# Altium PCB EDR Project pcb.PcbDoc
Units mil, origin at the board's own origin, x right, y up, seen from the top; angles counter-clockwise.
Board outline 3149.61 x 1968.5 mil, 2 copper layers (Top Layer, Bottom Layer); 58 components, 47 nets, 289 pads, 56 vias.
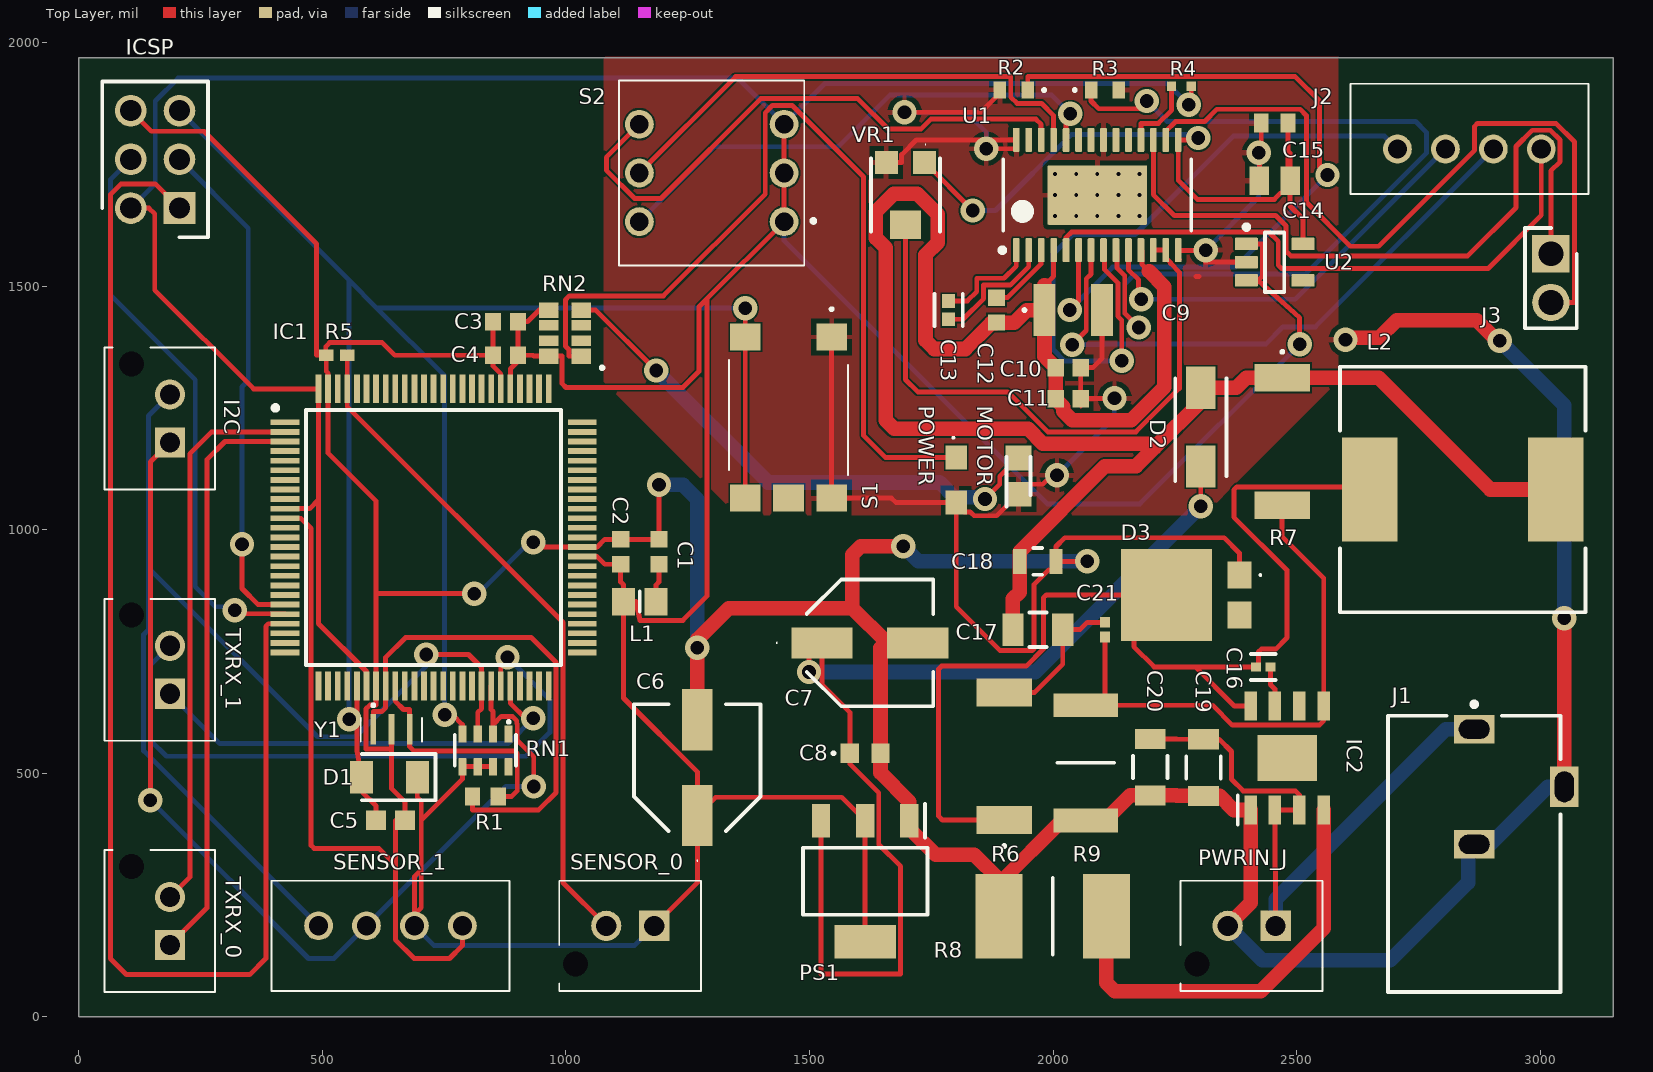
[diagram p0: Top Layer view]
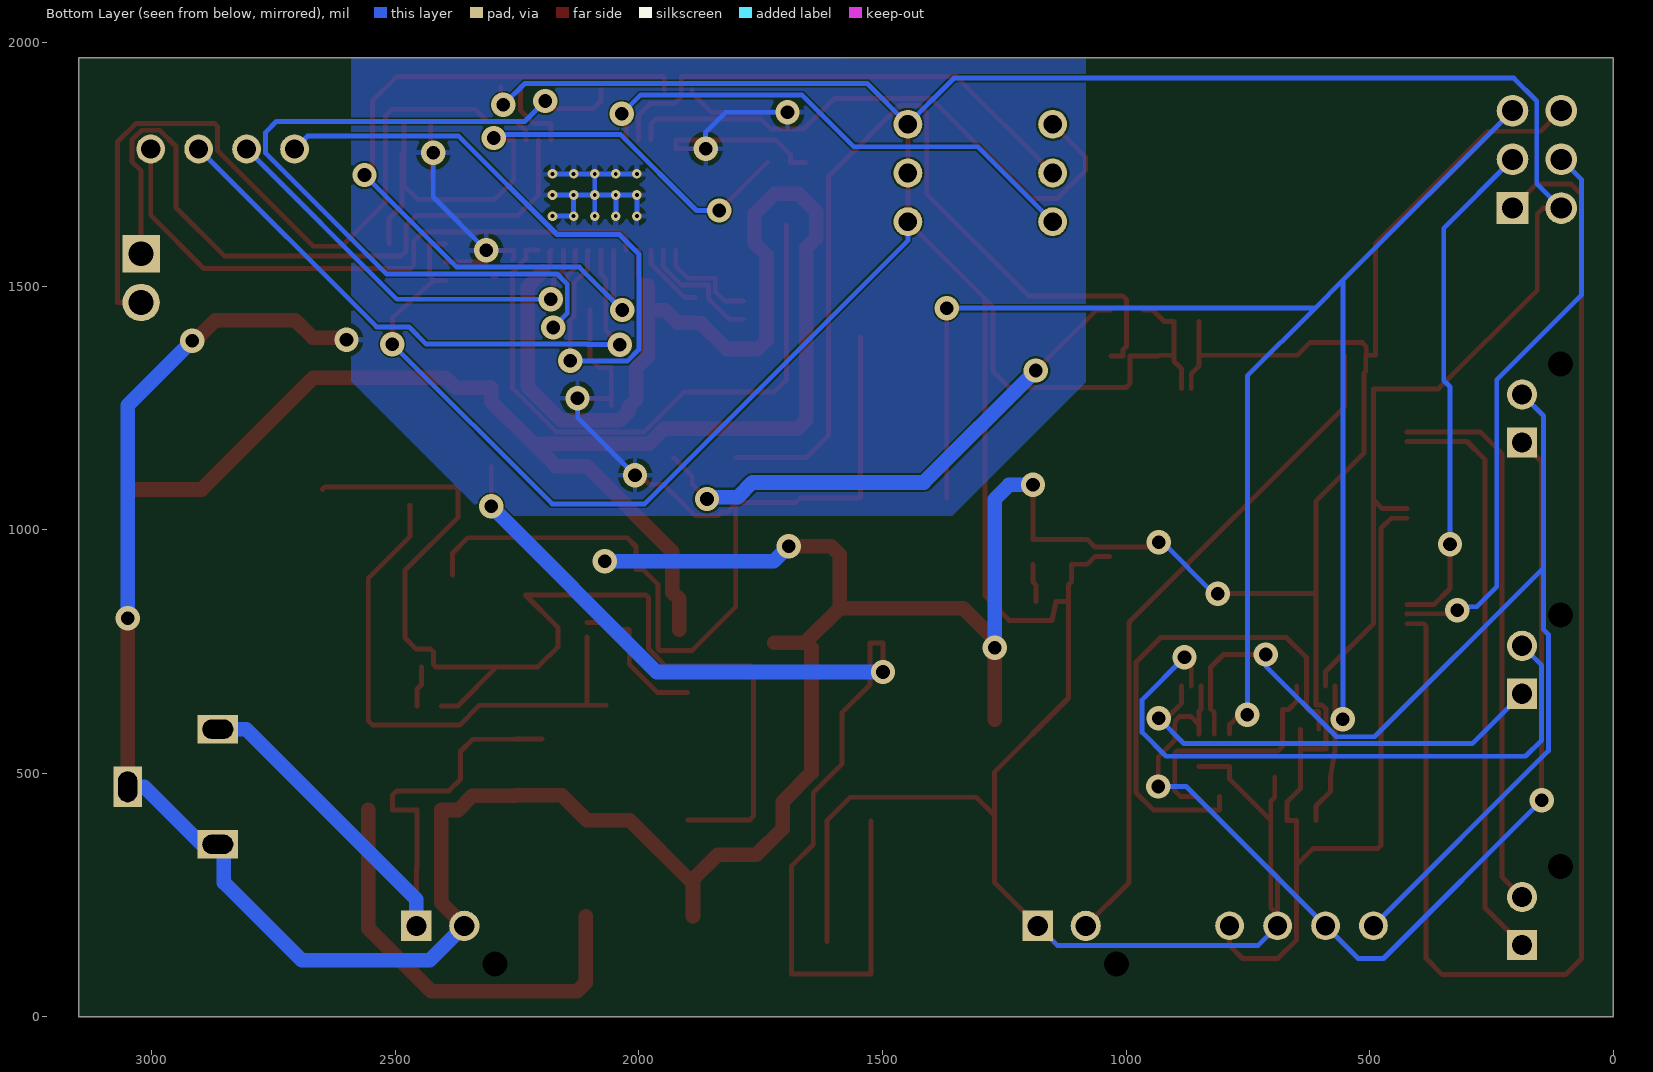
[diagram p1: Bottom Layer view, seen from below]
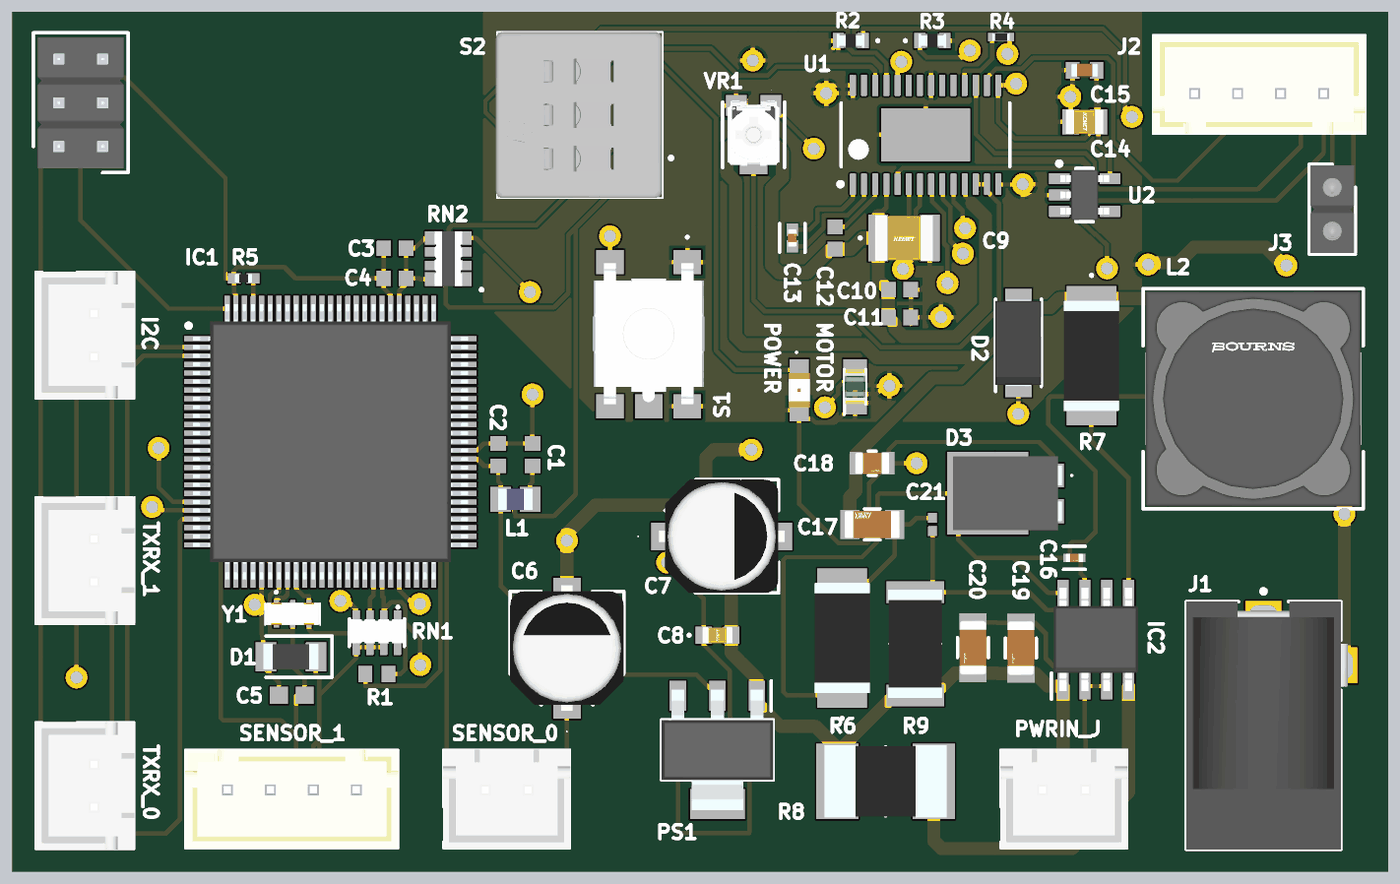
[diagram p2: 3D render of the assembled board from above, using the file's embedded part models]

## Layer stack, top to bottom
Top Solder: solder mask 0.4, Solder Resist, Dk 3.5
Top Layer: signal copper 1.4
Dielectric 1: dielectric 12.6, FR-4, Dk 4.8
Bottom Layer: signal copper 1.4
Bottom Solder: solder mask 0.4, Solder Resist, Dk 3.5

## Board outline
0,0 3149.61,0 3149.61,1968.5 0,1968.5

## Design rules (kind name [scope] priority, off if disabled: settings)
Clearance [All] p1: gap=4 ignorepadtopadclearanceinfootprint=FALSE
MinimumSolderMaskSliver [All] p1: minsoldermaskwidth=0
PolygonConnect [All] p1: connectstyle=Relief reliefconductorwidth=10 reliefentries=4 polygonreliefangle="90 Angle" airgapwidth=10
RoutingVias [All] p1: holewidth=28 width=50 viastyle="Through Hole" minholewidth=28 minwidth=50 maxholewidth=28 maxwidth=50
SilkToSilkClearance [All] p1: silktosilkclearance=0
SilkToSolderMaskClearance [IsText] p1: minsilkscreentomaskgap=5 clearancetoexposedcopper=TRUE
SolderMaskExpansion [All] p1: expansion=4 istentingtop=FALSE
Width [All] p1: maxlimit=50 minlimit=10 preferedwidth=10
27 further rules are at their usual default settings.

## Classes and differential pairs
component class UART: I2C TXRX_0 TXRX_1
component class "PRESSURE SENSOR": SENSOR_1
component class POWER: C6 C7 C8 C16 C17 C18 C19 C20 C21 D2 D3 IC2 J1 L2 PS1 PWRIN_J R6 R7 R8 R9
component class "MOTOR DRIVER": C9 C10 C11 C12 C13 C14 C15 J2 J3 R2 R3 R4 S2 U1 U2 VR1
component class "MEMBRANE SENSOR": R5 SENSOR_0
component class MCU: C1 C2 C3 C4 C5 D1 IC1 ICSP L1 MOTOR POWER R1 RN1 RN2 S1 Y1

## Components (designator, comment, footprint, x,y, rotation, side; value= is the part's Value field where it differs from the comment)
C1 "06035C104KAT4A" CAPC1608X90X35LL15T15 1190.94,954.72 r270 top value=100nF
C2 "06035C104KAT4A" CAPC1608X90X35LL15T15 1112.2,954.72 r270 top value=100nF
C3 "06035C104KAT4A" CAPC1608X90X35LL15T15 875.98,1427.17 r0 top value=100nF
C4 "06035C104KAT4A" CAPC1608X90X35LL15T15 875.98,1358.27 r0 top value=100nF
C5 "06035A220JAT4A" CAPC1608X90X35NL15T15 639.76,403.54 r180 top value=22pF
C6 "EEE-1EA470WP" EEE1AA101SP 1269.69,511.81 r90 top value=47uF
C7 "EEE-1EA470WP" EEE1AA101SP 1624.02,767.72 r0 top value=47uF
C8 "C0603C104K5RAC3190" C0603 1614.17,541.34 r0 top
C9 "C1210C475J5RACAUTO" C1210 2041.34,1450.79 r0 top
C10 "06035C104KAT4A" CAPC1608X90X35LL15T15 2031.04,1332.68 r180 top value=100nF
C11 "06035C104KAT4A" CAPC1608X90X35LL15T15 2031.04,1268.94 r180 top value=100nF
C12 "06035C104KAT4A" CAPC1608X90X35LL15T15 1883.86,1450.79 r270 top value=100nF
C13 "GRM155R71H103JA88D" FP-GRM155-0_05-IPC_A 1785.43,1450.79 r90 top
C14 "C0805C474J5REC7800" CAPC2012X110N 2454.72,1716.54 r180 top
C15 "C0603C105K3PACTU." CAPC1608X95N 2454.72,1834.65 r180 top
C16 "GRM155R71H222JA01D" FP-GRM155-0_05-IPC_C 2431.1,718.5 r0 top
C17 "12065C332KAT2A" FP-1206-L_3_2_0_2-W_1_6_0-IPC_C 1968.5,794.98 r180 top
C18 "GRM21BR60J226ME39L" FP-GRM21B-0_15-MFG 1968.5,935.04 r0 top
C19 "GCM31CR71H225KA55K" FP-GCM31C-0_2-e0_3_0_8-MFG 2308.57,511.81 r270 top
C20 "GCM31CR71H225KA55K" FP-GCM31C-0_2-e0_3_0_8-MFG 2199.04,512.8 r270 top
C21 "02015C560KAT2A" CAPC0603X33X15ML03T05 2106.3,794.98 r90 top
D1 "CD1206-S01575" DIOC3215X95N 637.8,492.13 r180 top
D2 "CGRA4007-G" DIOM5127X229N 2303.15,1210.63 r90 top
D3 "V8P12-M3_86A" V8P12M386A 2273.62,866.14 r90 top
I2C "B2B-XH-AM_LF__SN_" B2BXHAMLFSN 187.01,1179.06 r90 top
IC1 "ATMEGA2560-16AUR" QFP50P1600X1600X120-100N 728.35,984.25 r0 top
IC2 "LM5012DDAR" SOIC127P600X170-9N 2480.31,531.5 r90 top
ICSP "PH2-06-UA" HDRV6W64P254_2X3_762X500X901P 206.69,1660.28 r90 top
J1 "PJ-102BH" CUI-PJ-102BH_V 2864.17,472.44 r270 top
J2 "B4B-XH-A_LF__SN_" B4BXHALFSN 2706.69,1781.5 r0 top
J3 "61300211121" HDRV2W110P0X254_1X2_508X254X854P 3021.65,1566.53 r270 top
L1 "CV201210-100K" INDC2012X145N 1151.57,852.36 r180 top
L2 "SRR1280-330M" FP-SRR1280-MFG 2840.55,1082.68 r0 top
MOTOR "KPT-2012SGC" LEDM2012X120N 1929.13,1110.2 r90 top
POWER "APT2012SECK_J3-PRV" APT2012SECKJ3PRV 1801.18,1102.36 r270 top
PS1 "SPX1117M3-L-5-0_TR" SOT230P700X170-4N 1614.17,278.54 r270 top
PWRIN_J "B2B-XH-AM_LF__SN_" B2BXHAMLFSN 2456.69,187.01 r180 top
R1 "ERJ-3GEYJ105V" RESC1608X55X30NL15T15 834.65,452.76 r0 top value=1M
R2 "ERJ-3RSFR10V" ERJ3_B_BQ_BW_LW_(0603) 1919.29,1902.5 r180 top
R3 "ERJ-3RSFR10V" ERJ3_B_BQ_BW_LW_(0603) 2106.3,1902.5 r0 top
R4 "ERA-2AEB152X" ERA2AED122X 2263.31,1910.37 r180 top
R5 "RC0402FR-074K7L" RESC1005X40N 529.53,1358.27 r180 top
R6 "ERJ-S1TD4533U" ERJS1T_U1T_(2512) 1899.61,534.91 r90 top
R7 "ERJ-S1TD4533U" ERJS1T_U1T_(2512) 2470.47,1181.1 r270 top
R8 "3540100KJT" RESC7142X120N 1999.08,206.69 r180 top
R9 "CRCW251249K9FKEG" RESC6332X70N 2066.93,521.65 r270 top
RN1 "CAY16-103J4GLF" CAY16-J4 834.65,547.24 r180 top value=10k
RN2 "CAY16-102J4LF" CAY16-103J4LF 998.03,1403.54 r180 top
S1 "1571636-3" 15716363 1456.69,1230.32 r270 top
S2 "BD03" BD03 1299.21,1732.28 r90 top
SENSOR_0 "B2B-XH-AM_LF__SN_" B2BXHAMLFSN 1181.1,187.01 r180 top
SENSOR_1 "B4B-XH-A_LF__SN_" B4BXHALFSN 787.4,187.01 r180 top
TXRX_0 "B2B-XH-AM_LF__SN_" B2BXHAMLFSN 187.01,147.64 r90 top
TXRX_1 "B2B-XH-AM_LF__SN_" B2BXHAMLFSN 187.01,663.35 r90 top
U1 "DRV8825PWP" PWP0028C_L 2090.55,1687.01 r90 top
U2 "LP2985-33DBVR" DBV0005A_M 2454.72,1549.21 r0 top
VR1 "TC33X-2-103E" TC33X2503E 1696.85,1687.01 r180 top
Y1 "CSTCE16M0V53-R0" CSTCE16M0V53R0 641.73,590.55 r180 top value=16MHz

## Footprints (in the part's own frame and the unit in brackets; to place one, negate y for a bottom-side part, rotate by r counter-clockwise, add the part's x,y. Pads: shape width x height; smd on the part's side, far side on the other; paste and mask are expansions set on the pad)
15716363 [mm]
  rect 1.4x1.6 smd: 1(-4.2,2.25) 2(4.2,2.25) 3(-4.2,-2.25) 4(4.2,-2.25) 5(4.2,0)
  silkscreen extent -5.7,-3.1 3,3.1, body extent -4.13,-3.25 4.07,3.25, height 2.58
APT2012SECKJ3PRV [mm]
  rect 1.25x1.1 smd: 1(-1.175,0) 2(1.175,0)
  silkscreen extent -2.25,-0.2 -2.15,-0.1, body extent -1,-0.63 1,0.63, height 0.85
B2BXHAMLFSN [mm]
  rect 1.575x1.575 hole 1.05: 1(0,0)
  round 1.575 hole 1.05: 2(2.5,0)
  round 0.65 hole 1.3 unplated: MH1(4.1,2)
  silkscreen extent -2.45,-2.35 4.95,3.4, body extent -2.45,-2.36 4.95,3.39, height 6.9
B4BXHALFSN [mm]
  round 1.5 hole 1: 1(0,0) 2(2.5,0) 3(5,0) 4(7.5,0)
  silkscreen extent -2.45,-2.35 9.95,3.4, body extent -2.45,-2.35 9.95,3.4, height 7.52
BD03 [mm]
  round 1.509 hole 0.97: 1(-2.54,-3.775) 2(-2.54,3.775) 3(0,-3.775) 4(0,3.775) 5(2.54,-3.775) 6(2.54,3.775)
  silkscreen extent -4.83,-5.4 4.82,4.82, body extent -4.82,-4.76 4.82,4.88, height 7.42
C0603 [mm]
  rect 0.95x1 smd: 1(-0.8,0) 2(0.8,0)
  silkscreen extent -1.7,-0.05 -1.6,0.05, body extent -0.87,-0.48 0.88,0.47, height 0.87
C1210 [mm]
  rect 1.15x2.7 smd: 1(-1.5,0) 2(1.5,0)
  silkscreen extent -2.6,-0.05 -2.5,0.05, body extent -1.7,-1.35 1.7,1.35, height 1.4
CAPC0603X33X15ML03T05 [mm] "Chip Capacitor, 2-Leads, Body 0.60x0.30mm, IPC Low Density"
  rect 0.56x0.52 smd: 1(-0.38,0) 2(0.38,0)
  body extent -0.31,-0.17 0.32,0.16, height 0.33
CAPC1608X90X35LL15T15 [mm] "Chip Capacitor, 2-Leads, Body 1.60x0.81mm, IPC High Density"
  rect 0.85x0.9 smd: 1(-0.65,0) 2(0.65,0)
  body extent -0.88,-0.48 0.87,0.48, height 0.9
CAPC1608X90X35NL15T15 [mm] "Chip Capacitor, 2-Leads, Body 1.60x0.81mm, IPC Medium Density"
  rect 1.05x1 smd: 1(-0.75,0) 2(0.75,0)
  body extent -0.88,-0.48 0.87,0.48, height 0.9
CAPC1608X95N [mm]
  rect 0.78x0.98 smd: 1(-0.7,0) 2(0.7,0)
  body extent -0.8,-0.4 0.8,0.4, height 0.95
CAPC2012X110N [mm]
  rect 1.02x1.47 smd: 1(-0.8,0) 2(0.8,0)
  body extent -1.1,-0.73 1.1,0.72, height 1.1
CAY16-103J4LF [mm]
  rect 1x0.8 smd: 1(-0.85,1.2) 2(0.85,1.2) 7(-0.85,-1.2) 8(0.85,-1.2)
  rect 1x0.55 smd: 3(-0.85,0.4) 4(0.85,0.4) 5(-0.85,-0.4) 6(0.85,-0.4)
  silkscreen extent -1.97,1.77 -1.89,1.85, body extent -0.8,-1.6 0.8,1.6, height 0.5
CAY16-J4 [mm]
  rect 0.425x0.9 smd: 1(-1.2,-0.85) 2(-1.2,0.85) 3(-0.4,-0.85) 4(-0.4,0.85) 5(0.4,-0.85) 6(0.4,0.85) 7(1.2,-0.85) 8(1.2,0.85)
  silkscreen extent -1.6,-1.53 1.6,0.8, body extent -1.6,-0.78 1.6,0.62, height 0.5
CSTCE16M0V53R0 [mm]
  rect 0.3x1.6 smd: 1(0.95,0) 2(0,0) 3(-0.95,0)
  silkscreen extent -1.6,-1.3 1.6,0.65, body extent -1.6,-0.65 1.6,0.65, height 0.9
CUI-PJ-102BH_V [mm] "THD, 3-Leads, Body 14.4x9mm, Height 11mm"
  rect 1.5x2.1 hole 1 slot 1.6 at 90 deg: 1(-3,0) 2(3,0)
  rect 2.1x1.5 hole 1 slot 1.6 at 0 deg: 3(0,4.7)
  silkscreen extent -4.42,-4.5 10.7,4.5, body extent -3.7,-4.5 10.7,4.9, height 11
DBV0005A_M [mm] "SOT23, 5-Leads, Body 3.05x1.75mm, Pitch 0.95mm, IPC Low Density"
  rrect15% 1.2x0.65 smd: 1(-1.475,0.95) 2(-1.475,0) 3(-1.475,-0.95) 4(1.475,-0.95) 5(1.475,0.95)
  silkscreen extent -1.6,-1.55 0.5,1.95, body extent -1.42,-1.46 1.42,1.46, height 1.08
DIOC3215X95N [mm]
  rect 1.2x1.7 smd: 1(-1.45,0) 2(1.45,0)
  silkscreen extent -2.4,-1.2 1.45,1.2, body extent -1.6,-0.75 1.6,0.75, height 0.95
DIOM5127X229N [mm]
  rect 2.2x1.55 smd: 1(-2.05,0) 2(2.05,0)
  silkscreen extent -2.82,-1.33 2.55,1.33, body extent -2.55,-1.33 2.55,1.33, height 2.29
EEE1AA101SP [mm]
  rect 3.2x1.6 smd: 1(-2.5,0) 2(2.5,0)
  silkscreen extent -4.88,-3.3 3.3,3.3, body extent -3.65,-3.3 3.65,3.3, height 5.8
ERA2AED122X [mm]
  rect 0.475x0.5 smd: 1(-0.512,0) 2(0.512,0)
  body extent -0.5,-0.25 0.5,0.25, height 0.35
ERJ3_B_BQ_BW_LW_(0603) [mm]
  rect 0.65x0.9 smd: 1(-0.725,0) 2(0.725,0)
  silkscreen extent -1.63,-0.05 -1.53,0.05, body extent -0.8,-0.4 0.8,0.4, height 0.55
ERJS1T_U1T_(2512) [mm]
  rect 1.45x2.9 smd: 1(-3.325,0) 2(3.325,0)
  silkscreen extent -4.72,-0.05 -4.63,0.05, body extent -3.2,-1.6 3.2,1.6, height 0.6
FP-1206-L_3_2_0_2-W_1_6_0-IPC_C [mil]
  rect 43.49x67.17 smd paste+0 mask+0: 1(-51.21,0) 2(51.21,0)
  silkscreen extent -18,-35 18,35, body extent -77,-39 77,39, height 10
FP-GCM31C-0_2-e0_3_0_8-MFG [mm]
  rect 1.05x1.6 smd paste+0 mask+0: 1(-1.475,0) 2(1.475,0)
  silkscreen extent -0.57,-0.9 0.57,0.9, body extent -2.1,-1 2.1,1, height 0.25
FP-GRM21B-0_15-MFG [mm]
  rect 0.7x1.3 smd paste+0 mask+0: 1(-0.95,0) 2(0.95,0)
  silkscreen extent -0.23,-0.7 0.23,0.7, body extent -1.4,-0.8 1.4,0.8, height 0.25
FP-GRM155-0_05-IPC_A [mil]
  rect 28.16x26.48 smd paste+0 mask+0: 1(-18.84,0) 2(18.84,0)
  silkscreen extent -33,-29 33,29, body extent -41,-21 41,21, height 10
FP-GRM155-0_05-IPC_C [mil]
  rect 20.29x18.6 smd paste+0 mask+0: 1(-14.9,0) 2(14.9,0)
  silkscreen extent -25,-27 25,27, body extent -29,-15 29,15, height 10
FP-SRR1280-MFG [mm]
  rect 2.9x5.4 smd paste+0 mask+0: 1(-4.85,0) 2(4.85,0)
  silkscreen extent -6.4,-6.4 6.4,6.4, body extent -6.5,-6.5 6.5,6.5, height 0.25
HDRV2W110P0X254_1X2_508X254X854P [mm]
  rect 1.95x1.95 hole 1.3: 1(0,0)
  round 1.95 hole 1.3: 2(2.54,0)
  silkscreen extent -1.35,-1.34 3.89,1.35, body extent -1.27,-1.27 3.81,1.27, height 8.54
HDRV6W64P254_2X3_762X500X901P [mm]
  rect 1.65x1.65 hole 1.1: 1(0,0)
  round 1.65 hole 1.1: 2(0,2.54) 3(2.54,0) 4(2.54,2.54) 5(5.08,0) 6(5.08,2.54)
  silkscreen extent -1.52,-1.48 6.6,4.02, body extent -1.27,-1.23 6.35,3.77, height 9.01
INDC2012X145N [mm]
  rect 1.2x1.45 smd: 1(-0.85,0) 2(0.85,0)
  silkscreen extent 0,-0.53 0,0.52, body extent -1,-0.63 1,0.63, height 1.45
LEDM2012X120N [mm]
  rect 1.3x1.35 smd: 1(-0.95,0) 2(0.95,0)
  silkscreen extent -1.6,-0.62 1,0.62, body extent -1.02,-0.6 1.02,0.6, height 0.77
PWP0028C_L [mm] "SOP, 28-Leads, Body 9.8x4.5mm, Pitch 0.65mm, Thermal Pad 5.18x3.1mm, IPC High Density"
  rrect29% 1.25x0.35 smd: 1(-2.875,4.225) 2(-2.875,3.575) 3(-2.875,2.925) 4(-2.875,2.275) 5(-2.875,1.625) 6(-2.875,0.975) 7(-2.875,0.325) 8(-2.875,-0.325) 9(-2.875,-0.975) 10(-2.875,-1.625) 11(-2.875,-2.275) 12(-2.875,-2.925) 13(-2.875,-3.575) 14(-2.875,-4.225) 15(2.875,-4.225) 16(2.875,-3.575) 17(2.875,-2.925) 18(2.875,-2.275) 19(2.875,-1.625) 20(2.875,-0.975) 21(2.875,-0.325) 22(2.875,0.325) 23(2.875,0.975) 24(2.875,1.625) 25(2.875,2.275) 26(2.875,2.925) 27(2.875,3.575) 28(2.875,4.225)
  rrect3% 3.1x5.18 smd: 29(0,0)
  silkscreen extent -3,-4.9 1.85,5.07, body extent -2.25,-4.9 2.25,4.9, height 1.2
QFP50P1600X1600X120-100N [mm]
  rect 1.5x0.3 smd: 1(-7.75,6) 2(-7.75,5.5) 3(-7.75,5) 4(-7.75,4.5) 5(-7.75,4) 6(-7.75,3.5) 7(-7.75,3) 8(-7.75,2.5) 9(-7.75,2) 10(-7.75,1.5) 11(-7.75,1) 12(-7.75,0.5) 13(-7.75,0) 14(-7.75,-0.5) 15(-7.75,-1) 16(-7.75,-1.5) 17(-7.75,-2) 18(-7.75,-2.5) 19(-7.75,-3) 20(-7.75,-3.5) 21(-7.75,-4) 22(-7.75,-4.5) 23(-7.75,-5) 24(-7.75,-5.5) 25(-7.75,-6) 51(7.75,-6) 52(7.75,-5.5) 53(7.75,-5) 54(7.75,-4.5) 55(7.75,-4) 56(7.75,-3.5) 57(7.75,-3) 58(7.75,-2.5) 59(7.75,-2) 60(7.75,-1.5) 61(7.75,-1) 62(7.75,-0.5) 63(7.75,0) 64(7.75,0.5) 65(7.75,1) 66(7.75,1.5) 67(7.75,2) 68(7.75,2.5) 69(7.75,3) 70(7.75,3.5) 71(7.75,4) 72(7.75,4.5) 73(7.75,5) 74(7.75,5.5) 75(7.75,6)
  rect 0.3x1.5 smd: 26(-6,-7.75) 27(-5.5,-7.75) 28(-5,-7.75) 29(-4.5,-7.75) 30(-4,-7.75) 31(-3.5,-7.75) 32(-3,-7.75) 33(-2.5,-7.75) 34(-2,-7.75) 35(-1.5,-7.75) 36(-1,-7.75) 37(-0.5,-7.75) 38(0,-7.75) 39(0.5,-7.75) 40(1,-7.75) 41(1.5,-7.75) 42(2,-7.75) 43(2.5,-7.75) 44(3,-7.75) 45(3.5,-7.75) 46(4,-7.75) 47(4.5,-7.75) 48(5,-7.75) 49(5.5,-7.75) 50(6,-7.75) 76(6,7.75) 77(5.5,7.75) 78(5,7.75) 79(4.5,7.75) 80(4,7.75) 81(3.5,7.75) 82(3,7.75) 83(2.5,7.75) 84(2,7.75) 85(1.5,7.75) 86(1,7.75) 87(0.5,7.75) 88(0,7.75) 89(-0.5,7.75) 90(-1,7.75) 91(-1.5,7.75) 92(-2,7.75) 93(-2.5,7.75) 94(-3,7.75) 95(-3.5,7.75) 96(-4,7.75) 97(-4.5,7.75) 98(-5,7.75) 99(-5.5,7.75) 100(-6,7.75)
  silkscreen extent -8.37,-6.65 6.65,6.87, body extent -8,-8 8,8, height 1.2
RESC1005X40N [mm]
  rect 0.75x0.6 smd: 1(-0.55,0) 2(0.55,0)
  body extent -0.5,-0.25 0.5,0.25, height 0.4
RESC1608X55X30NL15T15 [mm] "Chip Resistor, 2-Leads, Body 1.60x0.80mm, IPC Medium Density"
  rect 0.8x0.95 smd: 1(-0.675,0) 2(0.675,0)
  body extent -0.87,-0.48 0.87,0.48, height 0.55
RESC6332X70N [mm]
  rect 1.25x3.35 smd: 1(-3,0) 2(3,0)
  silkscreen extent 0,-1.48 0,1.47, body extent -3.15,-1.58 3.15,1.58, height 0.7
RESC7142X120N [mm]
  rect 2.45x4.4 smd: 1(-2.8,0) 2(2.8,0)
  silkscreen extent 0,-2 0,2, body extent -3.55,-2.1 3.55,2.1, height 1.2
SOIC127P600X170-9N [mm]
  rect 1.525x0.65 smd: 1(-2.712,1.905) 2(-2.712,0.635) 3(-2.712,-0.635) 4(-2.712,-1.905) 5(2.712,-1.905) 6(2.712,-0.635) 7(2.712,0.635) 8(2.712,1.905)
  rect 2.4x3.1 smd: 9(0,0)
  silkscreen extent -3.47,2.58 -1.95,2.58, body extent -3,-2.45 3,2.45, height 1.57
SOT230P700X170-4N [mm]
  rect 1.75x0.95 smd: 1(-3.15,2.3) 2(-3.15,0) 3(-3.15,-2.3)
  rect 1.75x3.2 smd: 4(3.15,0)
  silkscreen extent -4.02,-3.25 1.75,3.25, body extent -3.5,-3.25 3.5,3.25, height 1.7
TC33X2503E [mm]
  rect 1.2x1.2 smd: 1(-1,-1.7) 3(1,-1.7)
  rect 1.6x1.5 smd: 2(0,1.55)
  silkscreen extent -1.8,-2.64 1.8,1.9, body extent -1.5,-2 1.5,1.8, height 1.22
V8P12M386A [mm]
  rect 1.4x1.27 smd: 1(1.04,-2.765) 2(-1.04,-2.765)
  rect 4.8x4.72 smd: 3(0,1.04)
  silkscreen extent 0.99,-3.9 1.09,-3.8, body extent -2.15,-3.27 2.15,3.05, height 1.3

## Part data
C1 C2 C3 C4 C10 C11 C12: library part CMP-2006-04390-1, Manufacturer="AVX Interconnect / Elco", Part Number=06035C104KAT4A
C5: library part CMP-2006-04271-1, Manufacturer="AVX Interconnect / Elco", Part Number=06035A220JAT4A
C6 C7: "Capacitor Polarised", Manufacturer_Name=Panasonic, Mouser Part Number=667-EEE-1EA470WP, Voltage=25V, Arrow Part Number=EEE-1EA470WP, Arrow Price/Stock=https://www.arrow.com/en/products/eee-1ea470wp/panasonic?region=nac, Datasheet Link=http://industrial.panasonic.com/cdbs/www-data/pdf/RDE0000/ABA0000C1145.pdf, Height=7.8mm, Manufacturer_Part_Number=EEE-1EA470WP, Mouser Price/Stock=https://www.mouser.co.uk/ProductDetail/Panasonic/EEE-1EA470WP?qs=ANJC8C65Mw4aAM55A7BE%2Fw%3D%3D
C8: "Capacitor", Capacitance=100nF, Manufacturer_Name=KEMET, Mouser Part Number=80-C0603C104K5R3190, Arrow Part Number=C0603C104K5RAC3190, Arrow Price/Stock=https://www.arrow.com/en/products/c0603c104k5rac3190/kemet-corporation?region=nac, Datasheet Link=https://content.kemet.com/datasheets/KEM_C1023_X7R_AUTO_SMD.pdf, Height=0.87mm, Manufacturer_Part_Number=C0603C104K5RAC3190, Mouser Price/Stock=https://www.mouser.co.uk/ProductDetail/KEMET/C0603C104K5RAC3190?qs=OycAS1CGnljhMsmpVYrMLA%3D%3D
C9: "Capacitor", Capacitance=4..7uF, Manufacturer_Name=KEMET, Mouser Part Number=80-C1210C475J5RAUTO, Datasheet Link=https://content.kemet.com/datasheets/KEM_C1023_X7R_AUTO_SMD.pdf, Manufacturer_Part_Number=C1210C475J5RACAUTO, Mouser Price/Stock=https://www.mouser.co.uk/ProductDetail/KEMET/C1210C475J5RACAUTO?qs=sSYV1F9c5cHOvq7Y3pUhfA%3D%3D
C13: library part CMP-2008-04636-2, "Chip Multilayer Ceramic Capacitors for General Purpose, 0402, 10000pF, X7R, 15%, 5%, 50V", Capacitance=10nF, Case Code (Imperial)=0402, Case Code (Metric)=1005, Dielectric=X7R, Max Operating Temperature=125°C, Min Operating Temperature=-55°C, Package Quantity=10000, Tolerance=5%, Voltage=50V, Case/Package=0402, Depth=0.5mm, Height=0.5mm, Lead Free="Lead Free", Length=1mm, Material=Ceramic, Mount="Surface Mount", Packaging="Tape and Reel", Termination=SMD/SMT, Thickness=0.022inch, Voltage Rating=50V, Voltage Rating (DC)=50V, Width=0.5mm
C14: "Capacitor", Capacitance=0.47uF, Manufacturer_Name=KEMET, Mouser Part Number=N/A, Datasheet Link=https://api.kemet.com/component-edge/download/datasheet/C0805C474J5REC7800.pdf, Height=1.1mm, Manufacturer_Part_Number=C0805C474J5REC7800, Mouser Price/Stock=https://www.mouser.co.uk/ProductDetail/KEMET/C0805C474J5REC7800?qs=xZ%2FP%252Ba9zWqYCFwa%2FovZJlA%3D%3D
C15: "Capacitor", Capacitance=1uF, Manufacturer_Name=KEMET, Mouser Part Number=N/A, Datasheet Link=https://www.kemet.com/specsheet/C0603C105K3PACTU, Height=0.95mm, Manufacturer_Part_Number=C0603C105K3PACTU., Mouser Price/Stock=https://www.mouser.com/Search/Refine.aspx?Keyword=N%2FA
C16: library part CMP-2008-04651-2, "Chip Multilayer Ceramic Capacitors for General Purpose, 0402, 2200pF, X7R, 15%, 5%, 50V", Capacitance=2.2nF, Case Code (Imperial)=0402, Case Code (Metric)=1005, Dielectric=X7R, Max Operating Temperature=125°C, Min Operating Temperature=-55°C, Package Quantity=10000, Tolerance=5%, Voltage=50V, Case/Package=0402, Depth=0.5mm, Height=0.5mm, Lead Free="Lead Free", Length=1mm, Mount="Surface Mount", Packaging="Tape and Reel", Radiation Hardening=No, Termination=SMD/SMT, Thickness=0.022inch, Voltage Rating=50V, Voltage Rating (DC)=50V, Width=0.02inch
C17: library part CMP-04427-015080-1, "General Purpose Ceramic Capacitor, 1206, 3.3nF, 10%, X7R, 15%, 50V", Capacitance=3.3nF, Case Code (Imperial)=1206, Case Code (Metric)=3216, Dielectric=X7R, Dielectric Material=Ceramic, Max Operating Temperature=125°C, Min Operating Temperature=-55°C, Package Quantity=1, Tolerance=10%, Voltage=50V, Case/Package=1206, Construction=Flat, Contact Plating=Tin, Depth=1.6mm, Dissipation Factor=2.5%, Height=0.94mm, Lead Free="Lead Free", Length=3.2mm, Mount="Surface Mount", Number of Pins=2, Packaging="Tape and Reel", REACH SVHC="No SVHC", RoHS Compliant=Yes, Series=-, Termination=SMD/SMT, Thickness=0.037inch, Voltage Rating=50V, Voltage Rating (DC)=50V, Width=1.6mm
C18: library part CMP-2007-03385-2, "Chip Multilayer Ceramic Capacitors for General Purpose, 0805, 22uF, X5R, 15%, 20%, 6.3V", Capacitance=22uF, Case Code (Imperial)=0805, Case Code (Metric)=2012, Dielectric=X5R, Max Operating Temperature=85°C, Min Operating Temperature=-55°C, Package Quantity=1, Tolerance=20%, Voltage=6.3V, Case/Package=0805, Depth=1.25mm, Height=1.25mm, Lead Free="Lead Free", Length=2mm, Material=Ceramic, Mount="Surface Mount", Packaging="Tape and Reel", Radiation Hardening=No, REACH SVHC="No SVHC", Termination=SMD/SMT, Thickness=0.053inch, Voltage Rating=6.3V, Voltage Rating (DC)=6.3V, Width=0.049inch
C19 C20: library part CMP-06035-059276-1, "Ceramic Capacitor for Automotive 2.2uF ±10% 50VDC X7R 1206 Embossed T/R", Capacitance=2.2uF, Case Code (Imperial)=1206, Case Code (Metric)=3216, Dielectric=X7R, Max Operating Temperature=125°C, Min Operating Temperature=-55°C, Package Quantity=6000, Ratings=AEC-Q200, Tolerance=10%, Voltage Rating=50V, Case/Package=1206, Depth=1.6mm, Height=1.6mm, Lead Free="Lead Free", Length=3.2mm, Mount="Surface Mount", Packaging="Tape and Reel", Radiation Hardening=No, Termination=SMD/SMT, Thickness=0.071inch, Voltage Rating (DC)=50V, Width=0.063inch
C21: library part CMP-2010-00470-1, Capacitance=56pF, Manufacturer="AVX Interconnect / Elco", Part Number=02015C560KAT2A
D1: "Diode", Manufacturer_Name=Bourns, Mouser Part Number=652-CD1206-S01575, Arrow Part Number=CD1206-S01575, Arrow Price/Stock=https://www.arrow.com/en/products/cd1206-s01575/bourns, Datasheet Link=https://datasheet.datasheetarchive.com/originals/distributors/SFDatasheet-7/sf-000140098.pdf, Height=0.95mm, Manufacturer_Part_Number=CD1206-S01575, Mouser Price/Stock=https://www.mouser.co.uk/ProductDetail/Bourns/CD1206-S01575?qs=FITO%2F%2FQgYDlGQsqciGRLTg%3D%3D